# KiCad board mackerel-30-proto.kicad_pcb (continued)
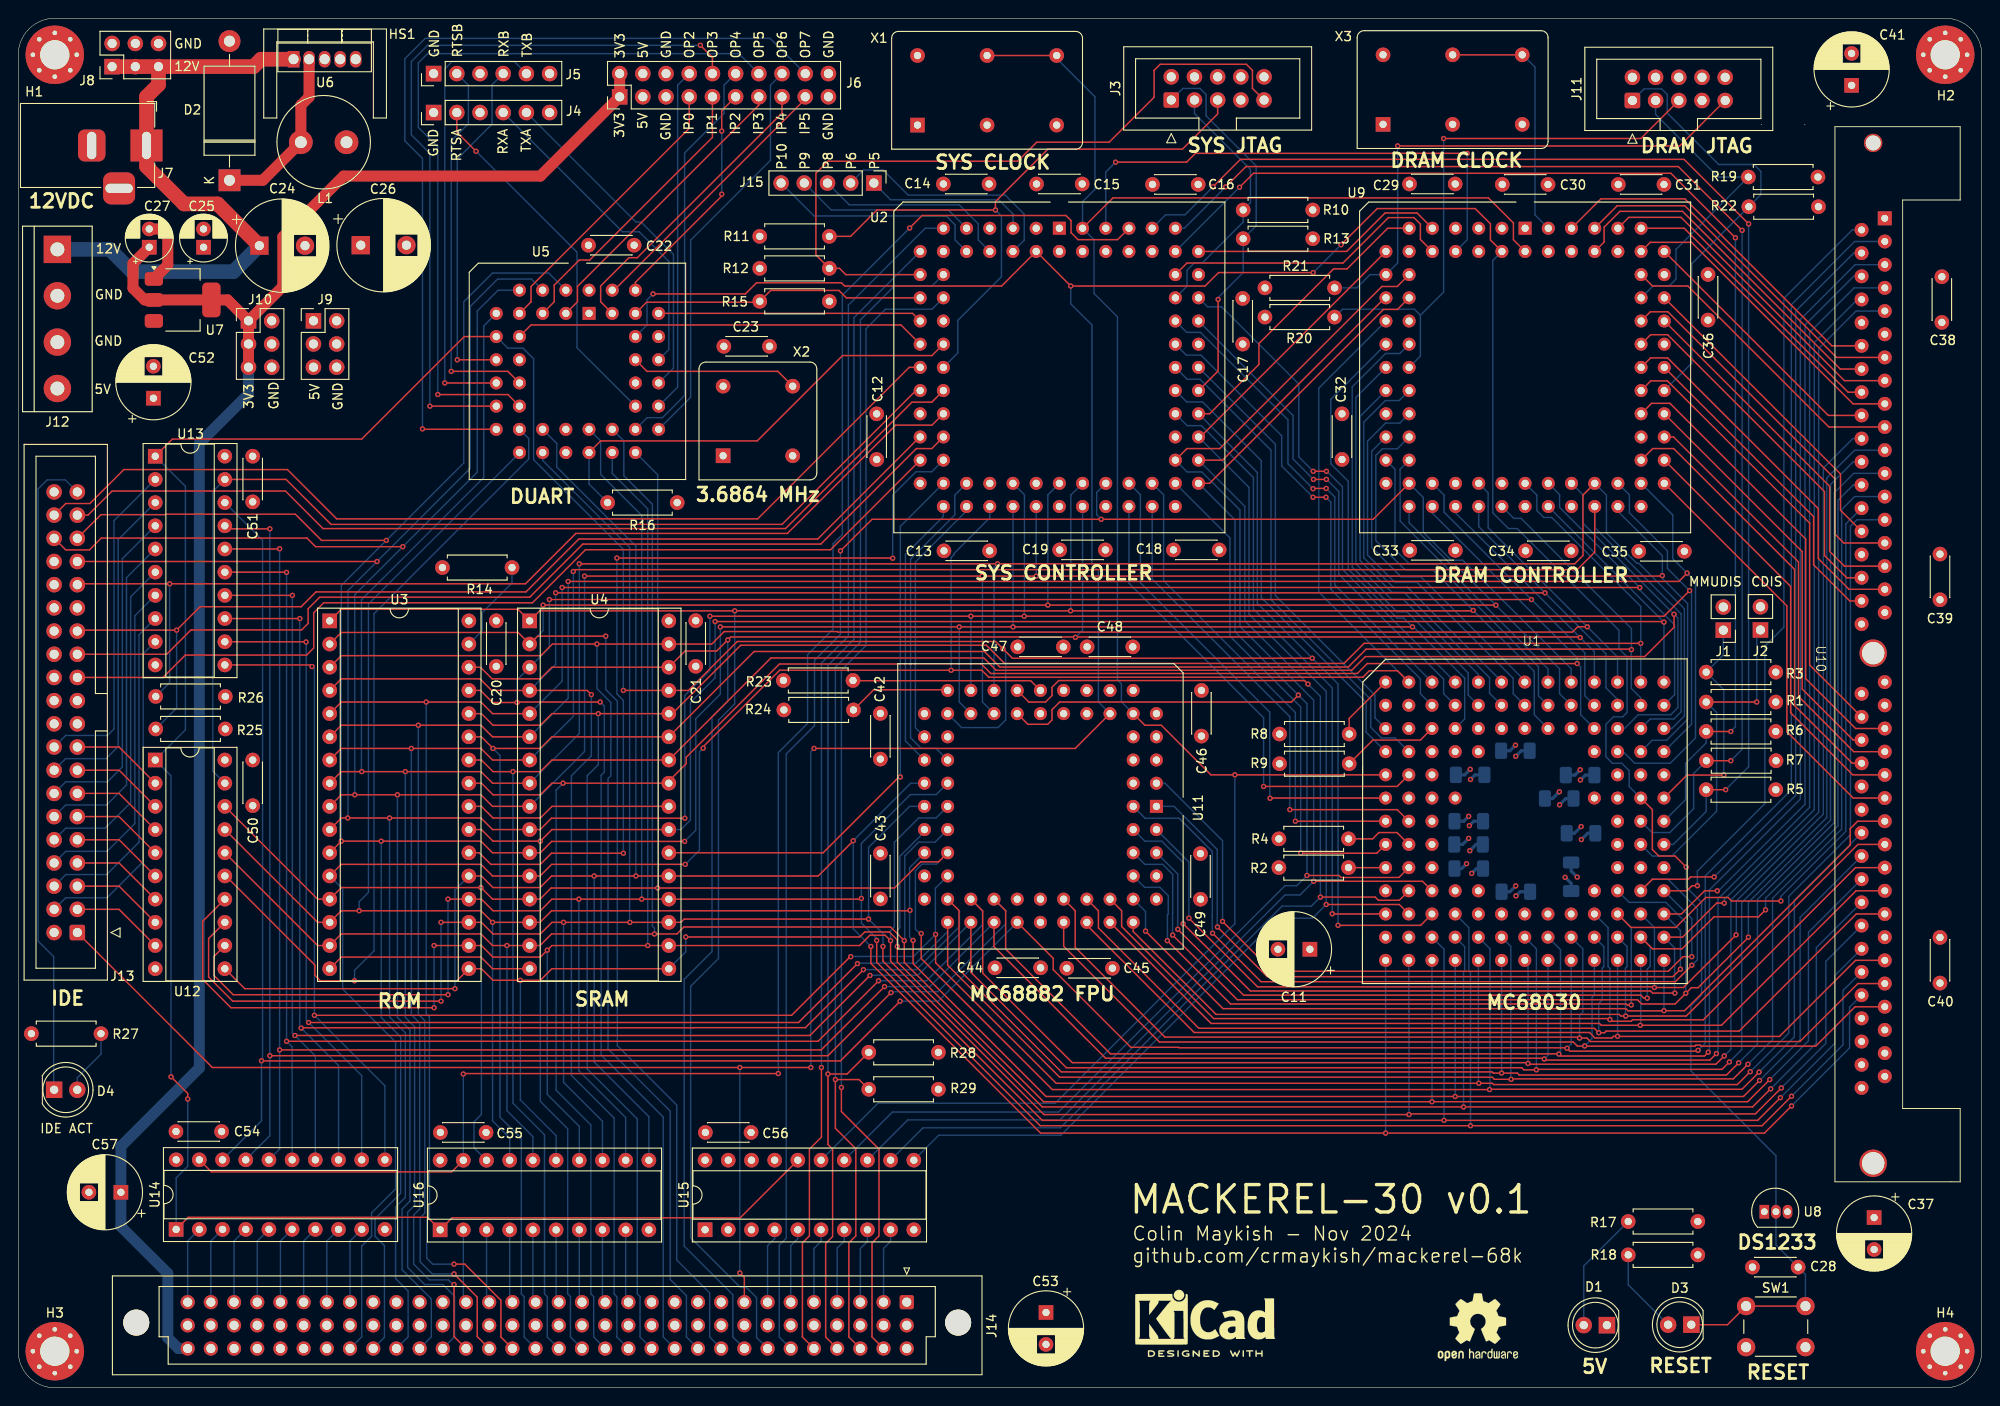
[diagram p0: board, top side]
## Routing (per net, layer and track width the routed paths; a pad name or vN(x,y) marks a point on that pad's centre or on a via; arc(x,y) is an arc through that point) (continued)
A14: length 241.4
  Top w0.152: U3.29 50.61,76.38 51.93,75.05 v1(54.63,75.05) 54.68,75.11 v1(63.72,75.11) ; v1(165.7,86.33) v1(58.16,86.33)
  Bottom w0.152: v1(58.16,86.33) 58.16,81.07 U4.3 54.63,77.54 v1(54.63,75.05) ; U9.36 156.12,97.78 156.12,95.91 v1(165.7,86.33) 171.54,80.49 171.54,75.79 U1.B10 ; J14.c11 70.63,5.56 70.63,29.64 63.82,36.45 63.82,67.08 64.18,67.43 64.18,74.65 v1(63.72,75.11)
A15: length 249.7
  Top w0.152: v1(171.81,83.35) 170.77,83.35 170.18,82.76 89.74,82.76 89.68,82.83 77.31,82.83 75.94,81.46 U4.31 v1(63.36,81.46) 58.49,81.46 57.22,80.19 35.37,80.19 U3.3
  Bottom w0.152: v1(63.36,81.46) 63.36,76.58 64.89,75.05 64.89,67.03 64.58,66.72 64.58,37.11 71.39,30.3 71.39,11.86 73.17,10.08 73.17,5.56 J14.c10 ; U9.40 160.95,98.03 160.95,94.21 v1(171.81,83.35) 175.12,80.03 U1.A11
A16: length 267.4
  Top w0.152: v1(57.47,85.72) v1(112.74,85.72) 161.79,85.72 v1(161.8,85.71) ; v1(64.33,82.32) 56.86,82.32 U4.2 54.73,82.73 35.37,82.73 U3.2
  Bottom w0.152: J14.c9 75.71,5.56 75.71,10.39 72.1,13.99 72.1,30.96 65.6,37.46 65.6,75.21 64.33,76.48 v1(64.33,82.32) ; U9.33 152.3,94.75 156.77,90.28 157.23,90.28 v1(161.8,85.71) 168.77,78.74 168.77,76.02 U1.B9 ; v1(57.47,85.72) 57.47,82.93 U4.2 ; v1(112.74,85.72) 112.74,97.8 U2.44
A17: length 246.6
  Top w0.152: U3.30 50.61,78.92 51.88,77.65 57.17,77.65 58.44,78.92 U4.30 73.01,80.69 76.47,80.69 v1(77.69,81.91) 78.01,82.23 170.97,82.23 v1(171.03,82.17)
  Bottom w0.152: U9.37 157.38,95.82 v1(171.03,82.17) 172.58,80.62 U1.A10 ; v1(115.76,82.19) 116.54,82.97 U2.45 ; v1(77.69,81.91) 77.69,75.21 75.96,73.48 75.96,47.78 72.91,44.73 72.91,15.52 78.25,10.18 78.25,5.56 J14.c8
A18: length 271.9
  Top w0.152: v1(159.32,85.14) 159.28,85.1 v1(115.23,85.1) v1(78.45,85.1) 57.1,85.1 U4.1 54.73,85.27 35.37,85.27 U3.1
  Bottom w0.152: v1(115.23,85.1) 115.25,85.12 115.25,97.78 U2.46 ; U9.29 151,102.84 149.37,102.84 148.66,102.13 148.66,92.78 151.91,89.53 154.93,89.53 v1(159.32,85.14) 166,78.46 166,73.71 U1.C8 ; v1(78.45,85.1) 78.45,74.9 76.67,73.12 76.67,47.01 73.62,43.97 73.62,16.43 79.06,11 79.72,11 80.84,9.88 80.84,5.51 J14.c7
A19: length 190.4
  Top w0.152: U9.34 148.36,95.12 v1(118.58,95.12) 93.49,95.12 v1(90.03,91.67)
  Bottom w0.152: U1.A9 170.04,78.76 158.17,90.64 156.92,90.64 153.85,93.71 153.85,97.51 U9.34 ; J14.c6 83.33,5.56 83.33,15.62 84.09,16.38 84.09,69.42 87.19,72.51 87.19,79.68 90.03,82.52 v1(90.03,91.67) ; U2.48 118.09,98.07 118.09,95.61 v1(118.58,95.12)
A20: length 35.9
  Bottom w0.152: U9.30 150.75,100.61 150.75,91.8 152.34,90.22 155.21,90.22 166.46,78.97 166.46,75.79 U1.B8
A21: length 31.4
  Bottom w0.152: U1.A8 167.5,78.74 151.31,94.94 151.31,100.61 U9.31
A22: length 43.3
  Bottom w0.152: U9.27 151.28,105.66 149.72,105.66 147.74,103.68 147.74,91.21 150.74,88.21 153.18,88.21 163.69,77.7 163.69,76.02 U1.B7
A23: length 35.7
  Bottom w0.152: U1.A7 164.96,77.44 153.58,88.82 151.42,88.82 148.2,92.05 148.2,102.58 U9.28
A24: length 42
  Bottom w0.152: U9.25 151.21,108.13 149.7,108.13 147.34,105.76 147.34,90.9 150.56,87.68 152.11,87.68 162.42,77.37 U1.A6
A25: length 42.8
  Bottom w0.152: U1.B6 161.1,76.07 161.1,77.77 151.75,87.12 150.41,87.12 146.93,90.6 146.93,106.39 U9.24
A26: length 42.1
  Bottom w0.152: U9.22 146.47,108.47 146.47,90.24 150.36,86.36 151.65,86.36 159.88,78.13 U1.A5
A27: length 49.4
  Bottom w0.152: U1.B5 158.77,75.87 158.77,78.28 152.06,84.99 150.97,84.99 146.07,89.89 146.07,109.62 149.72,113.28 151.28,113.28 U9.21
A28: length 55.5
  Top w0.152: v1(143.25,100.38) v1(141.8,100.38)
  Bottom w0.152: U1.A4 145,89.63 145,98.68 143.3,100.38 v1(143.25,100.38) ; U2.70 130.23,118.39 131.76,118.39 140.22,109.93 140.22,101.95 v1(141.8,100.38)
A29: length 54.6
  Top w0.152: v1(141.82,99.49) v1(143.25,99.49)
  Bottom w0.152: U2.68 139.59,106.49 139.59,101.72 v1(141.82,99.49) ; U1.B4 156.07,76.02 156.07,77.62 144.59,89.1 144.59,98.17 143.27,99.49 v1(143.25,99.49)
A30: length 53
  Top w0.152: v1(143.22,98.5) 141.8,98.5 v1(141.77,98.47)
  Bottom w0.152: v1(143.22,98.5) 144.16,97.56 144.16,87.93 U1.A3 ; v1(141.77,98.47) 139.03,101.22 139.03,106.02 129.45,115.59 127.95,115.59 U2.69
A31: length 53
  Top w0.152: v1(141.77,97.53) v1(143.19,97.53)
  Bottom w0.152: U2.67 127.9,113.1 129.5,113.1 138.34,104.26 138.34,100.96 v1(141.77,97.53) ; v1(143.19,97.53) 143.73,97 143.73,87.45 153.53,77.65 153.53,76.02 U1.B3
CLK_CPU: length 240.4
  Top w0.152: X1.8 X1.8 ; U2.83 119.87,130.33 160.97,130.33 163.72,127.58 163.72,125.74 U9.2 ; U1.E1 v1(133.21,67.13) 130.6,67.13 125.16,72.57 123.36,72.57 U11.11
  Bottom w0.152: v1(133.21,67.13) 133.21,50.82 113.55,31.16 94.14,31.16 U15.15 ; X1.8 113.71,145.59 117.9,141.4 117.9,131.26 116.54,129.91 U2.83 117.79,125.75 117.79,119.86 120.36,117.3 120.36,77.52 120.79,77.09 120.79,75.13 U11.11
CLK_DRAM: length 27.8
  Top w0.152: X3.8 X3.8
  Bottom w0.152: X3.8 164.73,146 166.08,144.65 166.08,128.46 U9.83
CS_EXP: length 130.8
  Top w0.152: v1(87.95,35.08) 87.95,27.46 86.63,26.13 86.63,16.63 85.87,15.87 85.87,5.56 J14.c5
  Bottom w0.152: U2.11 99.31,127 90.9,118.59 90.9,82.32 87.95,79.37 v1(87.95,35.08)
D0: length 165.2
  Top w0.152: U1.K13 182.72,54.43 183.28,54.99 v1(183.86,54.99) ; v1(131.87,51.08) 137.33,45.62 180.69,45.62 182.29,47.22 v1(183.25,47.22)
  Bottom w0.152: U10.2 200.83,126.82 193.33,119.33 193.33,83.31 191.25,81.22 191.25,63.98 183.86,56.59 v1(183.86,54.99) ; v1(183.25,47.22) 183.25,51.38 U1.K13 ; U11.3 125.57,66.22 131.87,59.92 v1(131.87,51.08)
D1: length 173.8
  Top w0.152: v1(183.25,46.28) 181.45,44.47 136.08,44.47 v1(130.77,49.78) ; v1(185.69,55.95) 183.12,55.95 182.87,55.7 178.93,55.7 U1.K12
  Bottom w0.152: v1(183.25,46.28) 183.86,46.89 183.86,52.47 180.63,55.7 178.93,55.7 U1.K12 ; U10.4 200.98,124.28 194.63,117.93 194.63,64.89 v1(185.69,55.95) ; v1(130.77,49.78) 130.74,49.82 130.74,51.7 130.75,51.71 130.75,58.74 127.1,62.38 123.38,62.38 U11.2
D2: length 158.5
  Top w0.152: v1(186.04,54.43) 184.65,54.43 182.11,51.89 U1.L13 ; v1(182.01,45.84) 181.19,45.03 136.74,45.03 v1(131.31,50.47)
  Bottom w0.152: U1.L13 182.01,50.09 v1(182.01,45.84) ; v1(186.04,54.43) 186.17,54.43 195.65,63.9 195.65,116.41 200.98,121.74 U10.6 ; U11.1 126.56,63.68 131.28,58.95 131.28,50.49 v1(131.31,50.47)
D3: length 158
  Top w0.152: U1.M13 182.24,49.35 185.97,53.08 v1(186.81,53.08) ; v1(181.4,43.23) 178.96,43.23 178.73,43.46 134.91,43.46 v1(127.55,50.82)
  Bottom w0.152: v1(127.55,50.82) 127.55,57.53 125.21,59.87 123.36,59.87 U11.68 ; U10.8 201.39,119.2 196.66,114.48 196.66,63.32 186.81,53.46 v1(186.81,53.08) ; v1(181.4,43.23) 181.37,43.25 181.37,48.18 U1.M13
D4: length 145.9
  Top w0.152: v1(188.1,49.6) 182.34,43.84 v1(179.16,43.84) 179.09,43.91 135.7,43.91 v1(128.18,51.43)
  Bottom w0.152: v1(188.1,49.6) 188.13,49.63 188.13,53.31 197.65,62.84 197.65,100.73 200.88,103.96 U10.20 ; U11.67 128.18,57.58 v1(128.18,51.43) ; v1(179.16,43.84) 179.16,50.39 U1.L12
D5: length 155.6
  Top w0.152: v1(189.45,49.35) 189.45,49.32 183.94,43.81 183.2,43.81 v1(182.59,43.2) 181.42,42.03 177.76,42.03 177.31,42.49 133.49,42.49 v1(126.41,49.58)
  Bottom w0.152: v1(189.45,49.35) 189.45,53.16 198.44,62.15 198.44,98.93 200.93,101.42 U10.22 ; v1(182.59,43.2) 182.59,50.98 180.41,53.16 176.39,53.16 U1.K11 ; v1(126.41,49.58) 126.39,49.59 126.39,52 126.41,52.02 126.41,56.23 125.31,57.33 123.36,57.33 U11.66
D6: length 138.5
  Top w0.152: v1(126.96,50.21) 134.18,43 177.66,43 177.99,42.67 v1(178.37,42.67) ; v1(191.33,52.35) 190.57,51.59 185.69,51.59 182.18,48.08 178.93,48.08 U1.M12
  Bottom w0.152: v1(126.96,50.21) 126.96,56.26 U11.65 ; U1.M12 178.7,48.31 178.7,46.17 178.37,45.84 v1(178.37,42.67) ; U10.24 200.93,98.88 199.25,97.2 199.25,61.54 191.33,53.62 v1(191.33,52.35)
D7: length 140.7
  Top w0.152: U1.L11 176.6,50.42 181.5,50.42 184.77,53.69 187.24,53.69 187.62,53.31 v1(193,53.31) ; v1(176.62,41.92) 176.19,41.92 176.08,42.03 132.76,42.03 v1(125.82,48.97)
  Bottom w0.152: v1(125.82,48.97) 125.83,48.98 125.83,51.8 125.92,51.89 125.92,53.9 125.01,54.81 123.33,54.81 U11.64 ; v1(193,53.31) 193,53.82 200.12,60.93 200.12,94.61 U10.26 ; v1(176.62,41.92) 176.62,50.39 U1.L11
D8: length 103.8
  Top w0.152: U10.49 201.41,62.05 200.6,61.24 200.6,59.44 182.46,41.3 v1(180.2,41.3) 180.19,41.29 176.28,41.29 176.04,41.53 131.92,41.53 v1(123.43,50.01)
  Bottom w0.152: U1.N13 v1(180.2,41.3) ; U11.62 123.43,52.17 v1(123.43,50.01)
D9: length 104.1
  Top w0.152: U10.51 201.44,59.51 182.64,40.71 v1(176.01,40.71) 175.48,40.71 175.3,40.89 131.17,40.89 122.09,49.97 U11.60
  Bottom w0.152: v1(176.01,40.71) 175.99,40.74 175.99,45.95 176.16,46.12 176.16,48.31 U1.M11
D10: length 110.8
  Top w0.152: U10.53 201.18,56.97 184.52,40.31 176.77,40.31 176.61,40.14 174.46,40.14 v1(174.28,40.32) 174.36,40.4 174.36,40.43 130.9,40.43 120.82,50.52 120.82,52.25 U11.59
  Bottom w0.152: U1.L10 174.08,50.39 174.08,46.12 174.28,45.92 v1(174.28,40.32)
D11: length 102.7
  Top w0.152: U10.55 201.23,54.43 186.5,39.7 v1(177.61,39.7) 173.34,39.7 173.14,39.9 130.62,39.9 U11.58
  Bottom w0.152: v1(177.61,39.7) 177.66,39.75 U1.N12
D12: length 111.1
  Top w0.152: U10.57 201.26,51.89 188.43,39.06 173.88,39.06 173.7,38.89 v1(173.07,38.89) 172.58,39.37 129.28,39.37 118.28,50.37 118.28,52.25 U11.57
  Bottom w0.152: v1(173.07,38.89) 173.07,42.1 173.45,42.48 173.45,45.95 173.62,46.12 173.62,48.31 U1.M10
D13: length 104.6
  Top w0.152: U10.61 201.18,46.81 192.85,38.48 175.14,38.48 v1(175.12,38.49) 174.68,38.49 174.5,38.31 172.65,38.31 172.05,38.91 128.77,38.91 117.01,50.67 U11.56
  Bottom w0.152: U1.N11 v1(175.12,38.49)
D14: length 113.1
  Top w0.152: U11.55 115.74,52.25 115.74,48.23 125.57,38.4 170.93,38.4 170.96,38.38 v1(170.96,38.3) 171.78,38.3 172.16,37.92 195.09,37.92 201.44,44.27 U10.63
  Bottom w0.152: v1(170.96,38.3) 170.96,40.76 171.31,41.12 171.31,48.08 U1.M9
D15: length 108.8
  Top w0.152: U10.65 201.13,41.73 196.81,37.41 184.29,37.41 184.17,37.53 183.7,37.53 183.59,37.41 171.54,37.41 v1(171.52,37.44) 171.49,37.41 170.73,37.41 170.27,37.87 124.96,37.87 114.47,48.36 U11.54
  Bottom w0.152: U1.N10 172.58,43 172.33,42.75 172.33,38.25 v1(171.52,37.44)
D16: length 354.5
  Top w0.152: U11.50 113.32,47.04 113.32,45.79 121.83,37.28 127.07,37.28 127.12,37.23 169.53,37.23 v1(169.59,37.18) 169.9,36.87 183.85,36.87 v1(183.94,36.95) ; v1(26.63,35.81) 26.65,35.8 90.02,35.8 v1(96.56,42.34)
  Bottom w0.152: U13.18 26.75,92.82 26.75,35.93 v1(26.63,35.81) 26.63,29.23 U14.18 ; U10.3 201.08,125.55 194.15,118.62 194.15,65.48 184.72,56.06 184.72,37.74 v1(183.94,36.95) ; v1(96.56,42.34) 100.75,42.34 U11.50 ; v1(169.59,37.18) 170.04,37.64 U1.N9
D17: length 362.6
  Top w0.152: v1(95.57,43.28) 88.66,36.37 v1(27.55,36.37) ; v1(185.05,36.75) 184.64,36.33 168.91,36.33 v1(168.7,36.55) 168.67,36.57 119.6,36.57 108.12,48.05 108.12,52.25 U11.49 ; U13.17 22.95,94.08 v1(27.55,94.08)
  Bottom w0.152: v1(95.57,43.28) 95.6,43.28 95.7,43.38 100.7,43.38 108.12,50.8 108.12,52.25 U11.49 ; U10.5 201.13,123.01 195.14,117.02 195.14,64.49 185.18,54.53 185.18,36.88 v1(185.05,36.75) ; v1(168.7,36.55) 168.87,36.73 168.87,47.98 U1.M8 ; v1(27.55,94.08) v1(27.55,36.37) 27.55,27.61 U14.17
D18: length 349.1
  Top w0.152: U11.48 106.85,48.31 119.06,36.09 167.01,36.09 v1(167.1,36) 167.21,35.89 185.23,35.89 v1(185.94,36.6) ; v1(94.86,43.94) 87.92,37.01 v1(28.62,37.01) ; U13.16 28.59,91.87 v1(28.62,91.89)
  Bottom w0.152: v1(28.62,91.89) v1(28.62,37.01) 28.62,26.13 U14.16 ; U11.48 99.81,43.94 v1(94.86,43.94) ; v1(185.94,36.6) 186.12,36.78 186.12,53.54 196.15,63.57 196.15,115.59 201.03,120.47 U10.7 ; U1.N8 167.5,36.41 v1(167.1,36)
D19: length 352.7
  Top w0.152: v1(29.38,89.3) 29.35,89.33 U13.15 ; 165.19,35.61 115.41,35.61 105.6,45.41 105.6,52.22 U11.47 ; 165.19,35.61 165.22,35.63 ; 165.19,35.61 165.23,35.61 v1(165.32,35.52) 165.41,35.43 185.89,35.43 v1(186.81,36.35) ; v1(29.38,37.95) 87.57,37.95 v1(94.2,44.57)
  Bottom w0.152: U11.47 105.58,52.25 105.58,50.7 99.46,44.57 v1(94.2,44.57) ; U10.9 201.23,117.93 197.14,113.84 197.14,63.04 187.53,53.43 187.53,37.07 v1(186.81,36.35) ; U1.N7 165.32,46.45 v1(165.32,35.52) ; v1(29.38,89.3) v1(29.38,37.95) 29.99,37.34 U14.15
D20: length 333.8
  Top w0.152: v1(187.37,35.68) 186.55,34.87 166.28,34.87 v1(166.23,34.82) 164.86,34.82 164.63,35.05 114.77,35.05 104.31,45.51 U11.46 ; v1(30.01,86.79) U13.14 ; v1(93.26,45.16) 86.68,38.58 v1(30.29,38.58)
  Bottom w0.152: v1(187.37,35.68) 188.71,37.03 188.71,53.13 198.03,62.46 198.03,99.64 201.08,102.69 U10.21 ; v1(93.26,45.16) 93.28,45.16 93.31,45.18 98.52,45.18 U11.46 ; U14.14 32.53,36.35 v1(30.29,38.58) 30.01,38.86 v1(30.01,86.79) ; v1(166.23,34.82) 166.23,48.08 U1.M7
D21: length 334
  Top w0.152: v1(30.98,39.39) 31.02,39.43 73.94,39.43 73.95,39.44 86.2,39.44 v1(92.55,45.79) ; v1(188.38,35.58) 187.05,34.25 164.37,34.25 164.15,34.47 v1(162.42,34.47) 161.51,34.47 161.38,34.59 114.21,34.59 103.01,45.79 103.01,52.27 U11.45 ; v1(30.83,84.25) U13.13
  Bottom w0.152: v1(162.42,34.47) 162.42,40.92 162.45,40.94 162.42,40.97 U1.N6 ; U14.13 35.07,35.3 v1(30.98,39.39) 30.83,39.55 v1(30.83,84.25) ; U11.45 103.06,52.22 103.06,50.52 98.34,45.79 v1(92.55,45.79) ; v1(188.38,35.58) 190.44,37.64 190.44,53.49 198.85,61.9 198.85,98.02 200.98,100.15 U10.23
D22: length 327.8
  Top w0.152: v1(189.4,35.43) 187.8,33.83 163.51,33.83 v1(163.46,33.78) 161.64,33.78 161.41,34.01 114.04,34.01 101.77,46.28 U11.44 ; v1(91.89,46.46) 85.44,40 v1(31.79,40) ; v1(31.51,81.68) 31.49,81.71 U13.12
  Bottom w0.152: U10.25 201.08,97.61 199.66,96.19 199.66,61.19 192.09,53.62 192.09,38.12 v1(189.4,35.43) ; v1(31.51,81.68) 31.54,81.66 31.54,40.26 v1(31.79,40) 37.61,34.19 U14.12 ; U1.M6 163.44,48.33 163.44,33.81 v1(163.46,33.78) ; v1(91.89,46.46) 91.94,46.5 91.94,46.51 98.3,46.51 101.77,49.97 U11.44
D23: length 325.9
  Top w0.152: v1(100.45,49.65) 100.45,46.56 113.65,33.35 v1(159.93,33.35) 161.41,33.35 161.55,33.21 188.24,33.21 v1(189.65,34.62) ; v1(32.17,78.99) 31.99,79.17 U13.11 ; v1(91.15,47.22) 91.1,47.22 84.67,40.79 v1(32.43,40.79)
  Bottom w0.152: U14.11 40.15,33.07 v1(32.43,40.79) 32.43,78.74 v1(32.17,78.99) ; v1(159.93,33.35) 159.88,33.4 U1.N5 ; v1(91.15,47.22) 91.18,47.24 98.03,47.24 v1(100.45,49.65) 100.45,49.68 100.42,49.71 100.42,54.71 U11.42 ; v1(189.65,34.62) 193.87,38.83 193.87,53.82 200.62,60.58 200.62,94.36 201.34,95.07 U10.27
D24: length 326.9
  Top w0.152: v1(190.62,34.57) 188.74,32.69 161.13,32.69 v1(161.1,32.66) 113.22,32.66 98.87,47.01 v1(98.87,49.76) ; U11.40 100.78,57.61 98.82,57.61 95.95,54.73 v1(70.02,54.73) 58.35,54.73 57.13,53.52 U4.13 51.93,53.52 v1(50.66,54.79) 35.37,54.79 U3.13 32.78,53.52 U12.18
  Bottom w0.152: U1.M5 161.15,48.08 161.15,32.71 v1(161.1,32.66) ; v1(190.62,34.57) 194.48,38.43 194.48,53.41 U10.50 ; U11.40 100.52,57.35 98.97,57.35 98.24,56.61 98.24,50.24 98.72,49.76 v1(98.87,49.76) ; U16.18 49.9,26.29 49.9,29.13 50.71,29.94 50.71,54.73 v1(50.66,54.79) ; U5.28 70.02,100 v1(70.02,54.73)
D25: length 321.7
  Top w0.152: v1(97.64,52.3) 97.59,52.25 58.4,52.25 57.13,50.98 U4.14 v1(51.93,50.98) 50.66,52.25 v1(37.33,52.25) 35.37,52.25 U3.14 32.78,50.98 U12.17 ; v1(97.98,48.99) 97.98,46.45 112.54,31.9 v1(157.34,31.9) 188.91,31.9 v1(190.67,33.65)
  Bottom w0.152: U5.18 54.88,102.39 38.34,85.85 38.34,54.25 37.33,53.24 v1(37.33,52.25) ; U10.52 195.11,51.51 195.11,38.1 v1(190.67,33.65) ; U11.39 97.6,56.97 97.6,49.38 v1(97.98,48.99) ; v1(157.34,31.9) U1.N4 ; v1(51.93,50.98) 51.93,29.23 53.81,27.35 U16.17
D26: length 324.3
  Top w0.152: U12.16 32.78,48.44 U3.15 35.37,49.71 50.66,49.71 51.93,48.44 v1(53.51,48.44) U4.15 57.13,48.44 58.4,49.71 v1(69.66,49.71) 72.13,49.71 72.89,50.47 95.52,50.47 v1(97.02,48.97) 97.02,46.58 112.27,31.33 v1(154.8,31.33) 189.36,31.33 v1(191.79,33.75)
  Bottom w0.152: U11.38 100.4,59.76 98.59,59.76 97.07,58.24 97.07,49.02 v1(97.02,48.97) ; v1(53.51,48.44) 53.51,30.35 56.35,27.51 U16.16 ; U5.27 66.31,103.71 66.31,99.9 69.43,96.77 69.43,50.57 69.66,50.34 v1(69.66,49.71) ; v1(191.79,33.75) 196.03,38 196.03,49.88 U10.54 ; v1(154.8,31.33) U1.N3
D27: length 336.8
  Top w0.152: U12.15 22.72,56.06 32.48,46.3 32.48,45.18 33.09,44.57 v1(36.82,44.57) 48.02,44.57 U3.17 50.71,45.9 51.98,44.63 v1(54.98,44.63) 57.17,44.63 58.44,45.9 U4.17 ; v1(191.89,32.74) 189.91,30.76 v1(158.26,30.76) 112.13,30.76 96.26,46.63 v1(96.26,48.33) 96.26,49.04 95.37,49.92 92.69,49.92 92.14,49.38 v1(73.09,49.38)
  Bottom w0.152: v1(36.82,44.57) 36.82,45.72 38.95,47.85 38.95,84.78 55.9,101.72 55.9,103.96 U5.19 ; U4.17 73.09,47.75 v1(73.09,49.38) ; v1(96.26,48.33) 96.26,50.11 96.54,50.39 96.54,58.21 99.23,60.9 U11.37 ; v1(191.89,32.74) 196.89,37.74 196.89,48.21 U10.56 ; U16.15 58.89,27.61 54.98,31.52 v1(54.98,44.63) ; v1(158.26,30.76) 158.26,45.59 158.38,45.72 158.38,48.31 U1.M4
D28: length 339.8
  Top w0.152: U12.14 20.18,51.08 20.18,44.73 23.28,41.63 v1(45.53,41.63) ; v1(45.53,48.44) U3.18 50.71,48.44 51.98,47.17 57.17,47.17 v1(57.93,47.93) 58.44,48.44 v1(68.93,48.44) U4.18 92.13,48.44 93.26,49.57 94.92,49.57 v1(95.52,48.97) 95.52,46.71 112.31,29.92 v1(152.29,29.92) 152.36,30 190.21,30 v1(193.06,32.84)
  Bottom w0.152: U10.58 197.93,46.71 197.93,37.72 v1(193.06,32.84) ; U16.14 61.43,28.62 57.93,32.13 v1(57.93,47.93) ; U1.N2 152.26,41.22 152.29,41.2 v1(152.29,29.92) ; v1(95.52,48.97) 95.52,50.06 95.93,50.47 95.93,59.74 98.59,62.41 100.5,62.41 U11.36 ; v1(45.53,41.63) v1(45.53,48.44) ; v1(68.93,48.44) 68.93,96.26 65.04,100.15 U5.26
D29: length 341.4
  Top w0.152: v1(46.29,50.98) U3.19 50.71,50.98 51.98,49.71 57.17,49.71 58.44,50.98 v1(59.71,50.98) v1(66.97,50.98) U4.19 72.56,50.98 72.91,51.33 v1(93.11,51.33) ; U12.13 20.84,49.2 20.84,44.98 23.48,42.34 v1(46.29,42.34) ; v1(94.68,48.33) 94.68,46.73 112.13,29.28 v1(156.12,29.28) 190.46,29.28 v1(192.95,31.77)
  Bottom w0.152: v1(59.71,50.98) 59.71,33.45 63.97,29.18 U16.13 ; v1(192.95,31.77) 198.95,37.77 198.95,45.18 U10.60 ; v1(94.68,48.33) 94.68,49.76 v1(93.11,51.33) 93.11,59.18 97.6,63.68 U11.35 ; U5.20 57.42,101.57 66.94,92.05 66.94,51 v1(66.97,50.98) ; U1.M3 156.12,48.03 v1(156.12,29.28) ; v1(46.29,42.34) v1(46.29,50.98)
D30: length 347.2
  Top w0.152: v1(194.17,31.93) 190.95,28.7 v1(159.02,28.7) 111.9,28.7 94,46.61 v1(94,48.99) ; v1(47.06,53.52) U3.20 50.71,53.52 51.98,52.25 57.17,52.25 58.44,53.52 v1(61.38,53.52) v1(68.27,53.52) U4.20 92.24,53.52 v1(92.32,53.59) ; U12.12 21.4,47.22 21.4,45.18 23.54,43.05 v1(47.06,43.05)
  Bottom w0.152: v1(47.06,43.05) v1(47.06,53.52) ; v1(61.38,53.52) 61.38,34.72 66.51,29.59 U16.12 ; U1.L4 158.84,50.39 158.84,45.67 159.02,45.49 v1(159.02,28.7) ; v1(94,48.99) 94,49.22 92.32,50.9 v1(92.32,53.59) 92.32,59.61 97.68,64.97 100.52,64.97 U11.34 ; U5.25 63.77,103.71 63.77,100.05 68.27,95.55 v1(68.27,53.52) ; v1(194.17,31.93) 199.81,37.56 199.81,43.51 U10.62
D31: length 339.2
  Top w0.152: v1(93.36,48.33) 93.36,46.48 111.95,27.89 v1(149.72,27.89) 191.2,27.89 v1(194.17,30.86) ; v1(91.43,59.92) 91.43,59.89 87.59,56.06 U4.21 v1(67.63,56.06) v1(63.06,56.06) 58.41,56.06 57.14,54.79 51.98,54.79 50.71,56.06 U3.21 ; v1(47.82,43.71) 24.8,43.71 U12.11
  Bottom w0.152: v1(93.36,48.33) 91.43,50.26 v1(91.43,59.92) 97.73,66.22 U11.33 ; v1(194.17,30.86) 200.52,37.21 200.52,41.68 U10.64 ; v1(47.82,43.71) 47.82,54.53 U3.21 ; v1(67.63,56.06) 67.63,92.17 58.97,100.84 58.97,103.43 U5.21 ; U16.11 69.05,29.69 63.06,35.68 v1(63.06,56.06) ; v1(149.72,27.89) U1.N1
DRAM_A0: length 39.8
  Top w0.152: U9.81 173.3,130.22 182.49,130.22 198.59,114.12 U10.12
DRAM_A1: length 39.7
  Top w0.152: U9.79 175.08,129.46 182.49,129.46 199.1,112.85 U10.13
DRAM_A2: length 39.2
  Top w0.152: U9.80 173.65,125.49 173.65,127.12 175.38,128.85 182.23,128.85 199.51,111.58 U10.14
DRAM_A3: length 37.1
  Top w0.152: U10.15 199.96,110.31 182.08,128.19 176.35,128.19 U9.77
DRAM_A4: length 31.6
  Top w0.152: U10.16 200.37,109.04 182.41,127 U9.75
DRAM_A5: length 34.4
  Top w0.152: U10.17 200.9,107.77 183.22,125.45 178.69,125.45 U9.76
DRAM_A6: length 29
  Top w0.152: U9.74 198.2,106.5 U10.18
DRAM_A7: length 34.5
  Top w0.152: U10.28 199.53,96.11 199.53,100.09 U9.70
DRAM_A8: length 39.4
  Top w0.152: U10.31 199.96,89.99 198.34,91.62 198.34,98.74 U9.68
DRAM_A9: length 39.7
  Top w0.152: U9.67 178.74,115.34 180.6,115.34 197.78,98.16 197.78,91.16 200.22,88.72 U10.32
DRAM_A10: length 33.6
  Top w0.152: U9.73 178.95,120.67 182.83,120.67 198.27,105.23 U10.19
DRAM_A11: length 41.1
  Top w0.152: U9.69 178.71,117.85 180.63,117.85 198.92,99.56 198.92,93.5 199.89,92.53 U10.29
DRAM_WR: length 46.5
  Top w0.152: U10.47 200.93,64.59 193.66,71.85 193.66,85.64 U9.54
DTACK_EXP: length 130.8
  Top w0.152: R28.1 90.76,34.36 v1(88.66,34.36) 88.66,26.64 89.17,26.13 89.17,16.56 88.41,15.8 88.41,5.56 J14.c4
  Bottom w0.152: v1(88.66,34.36) 88.66,79.12 91.51,81.96 91.51,117.21 U2.12
EXP_AS: length 8.3
  Bottom w0.152: J14.a5 87.13,15.25 87.9,16.03 U15.6
EXP_CLK: length 8.3
  Bottom w0.152: U15.5 85.36,16.34 84.59,15.56 J14.a6
EXP_D16: length 8.5
  Bottom w0.152: J14.a32 18.55,16.07 U14.2
EXP_D17: length 8.5
  Bottom w0.152: J14.a31 21.09,16.07 U14.3
EXP_D18: length 8.5
  Bottom w0.152: U14.4 23.63,16.07 J14.a30
EXP_D19: length 8.5
  Bottom w0.152: J14.a29 26.17,16.07 U14.5
EXP_D20: length 8.5
  Bottom w0.152: J14.a28 28.71,16.07 U14.6
EXP_D21: length 8.5
  Bottom w0.152: U14.7 31.25,16.07 J14.a27
EXP_D22: length 8.5
  Bottom w0.152: U14.8 33.79,16.07 J14.a26
EXP_D23: length 8.5
  Bottom w0.152: J14.a25 36.33,16.07 U14.9
EXP_D24: length 8
  Bottom w0.152: J14.a20 48.73,9.67 U16.2
EXP_D25: length 8
  Bottom w0.152: J14.a19 51.27,9.67 U16.3
EXP_D26: length 8
  Bottom w0.152: J14.a18 53.81,9.67 U16.4
EXP_D27: length 8
  Bottom w0.152: J14.a17 56.35,9.67 U16.5
EXP_D28: length 8
  Bottom w0.152: J14.a16 58.89,9.67 U16.6
EXP_D29: length 8
  Bottom w0.152: J14.a15 61.43,9.67 U16.7
EXP_D30: length 8
  Bottom w0.152: J14.a14 63.97,9.67 U16.8
EXP_D31: length 8
  Bottom w0.152: U16.9 66.51,9.67 J14.a13
EXP_DS: length 8.3
  Bottom w0.152: J14.a3 92.21,15.25 92.98,16.03 U15.8
EXP_RW: length 8.3
  Bottom w0.152: J14.a7 82.05,15.56 82.82,16.34 U15.4
EXP_SIZ0: length 8.3
  Bottom w0.152: U15.9 95.52,16.03 94.75,15.25 J14.a2
EXP_SIZ1: length 8.3
  Bottom w0.152: U15.7 90.44,16.06 89.67,15.28 J14.a4
FC0: length 54.4
  Bottom w0.152: U1.D2 150.76,71.17 149.27,71.17 148.1,72.34 148.1,75.39 137.18,86.31 137.18,102.69 129.4,110.46 128,110.46 U2.65
FC1: length 48
  Bottom w0.152: U2.64 137.66,103.34 137.66,86.76 148.55,75.87 148.55,73.38 U1.C1
FC2: length 50.1
  Bottom w0.152: U1.D1 147.59,71.8 147.59,75.08 136.11,86.56 136.11,101.55 129.68,107.97 127.95,107.97 U2.63
IACK_EXP: length 125.2
  Top w0.152: v1(90.13,32.89) 90.13,30.25 94.25,26.13 94.25,16.63 93.49,15.87 93.49,5.56 J14.c2
  Bottom w0.152: v1(90.13,32.89) 90.13,78.61 92.83,81.3 92.83,116 94.96,118.13 100.05,118.13 U2.17
IDE_D0: length 10.2
  Top w0.152: U12.2 11.04,70.18 J13.17
IDE_D1: length 10.2
  Top w0.152: U12.3 11.04,67.64 J13.15
IDE_D2: length 10.2
  Top w0.152: J13.13 11.04,65.1 U12.4
IDE_D3: length 10.2
  Top w0.152: U12.5 11.04,62.56 J13.11
IDE_D4: length 10.2
  Top w0.152: U12.6 11.04,60.02 J13.9
IDE_D5: length 10.2
  Top w0.152: U12.7 11.04,57.48 J13.7
IDE_D6: length 10.2
  Top w0.152: J13.5 11.04,54.94 U12.8
IDE_D7: length 10.2
  Top w0.152: U12.9 11.04,52.4 J13.3
IDE_D8: length 36.5
  Bottom w0.152: U13.9 13.68,80.39 13.68,57.63 9.72,53.67 5.2,53.67 J13.4
IDE_D9: length 36.5
  Bottom w0.152: J13.6 5.2,56.21 9.67,56.21 13.22,59.76 13.22,82.47 U13.8
IDE_D10: length 36.5
  Bottom w0.152: U13.7 12.77,84.56 12.77,61.8 9.72,58.75 5.2,58.75 J13.8
IDE_D11: length 36.4
  Bottom w0.152: U13.6 12.31,86.64 12.31,64.08 9.51,61.29 5.2,61.29 J13.10
IDE_D12: length 36.5
  Bottom w0.152: J13.12 5.2,63.83 9.67,63.83 11.85,66.01 11.85,88.72 U13.5
IDE_D13: length 36.6
  Bottom w0.152: J13.14 5.2,66.37 9.77,66.37 11.39,67.99 11.39,90.8 U13.4
IDE_D14: length 36.5
  Bottom w0.152: U13.3 10.94,92.89 10.94,70.23 9.62,68.91 5.2,68.91 J13.16
IDE_D15: length 36.6
  Bottom w0.152: U13.2 10.48,94.97 10.48,72.16 9.77,71.45 5.2,71.45 J13.18
IDE_INT: length 115.6
  Top w0.152: U2.27 100.05,105.43 96.08,105.43 84.22,93.57 61.05,93.57 55.54,88.06 v1(16.58,88.06) 6.57,88.06 J13.31
  Bottom w0.152: v1(16.58,88.06) 16.58,77.24 R26.2
IDE_RDY: length 112.9
  Top w0.152: J13.27 6.57,82.98 v1(17.34,82.98) 19.9,85.55 30.98,85.55 32.6,87.17 55.59,87.17 61.38,92.96 87.54,92.96 98.72,104.14 U2.28
  Bottom w0.152: v1(17.34,82.98) 17.34,74.45 R25.2
IP0: length 31.4
  Top w0.152: U5.8 56.15,118.95 56.15,120.62 73.47,137.95 J6.7
IP1: length 32.1
  Top w0.152: U5.5 58.69,118.95 58.69,120.77 61.43,123.52 62.58,123.52 76.01,136.95 J6.9
IP2: length 25.7
  Top w0.152: J6.11 77.03,139.88 v1(77.03,137.64) ; U5.40 67.58,121.08 77.03,130.53 v1(77.03,130.73)
  Bottom w0.152: v1(77.03,130.73) v1(77.03,137.64)
IP3: length 32.5
  Top w0.152: U5.3 61.23,118.95 61.23,120.62 81.09,140.49 J6.13
IP4: length 33
  Top w0.152: J6.15 83.63,139.62 67.78,123.77 66.87,123.77 63.77,120.67 63.77,118.95 U5.43
IP5: length 30.1
  Top w0.152: J6.17 86.17,141.15 65.24,120.22 U5.42
IRQ_EXP: length 130.8
  Top w0.152: R29.1 92.06,33.75 v1(89.47,33.75) 89.47,28.42 91.71,26.19 91.71,16.63 90.95,15.87 90.95,5.56 J14.c3
  Bottom w0.152: U2.15 100.05,120.67 95.93,120.67 92.22,116.96 92.22,81.66 89.47,78.92 v1(89.47,33.75)
OP2: length 37.8
  Bottom w0.152: U5.31 72.2,109.6 72.2,142.67 J6.8
OP3: length 81.9
  Top w0.152: J6.10 76.01,145.72 v1(74.69,147.04) ; U5.15 v1(45.07,107.52)
  Bottom w0.152: v1(74.69,147.04) 44.82,147.04 43.04,145.26 43.04,137.23 45.07,135.2 v1(45.07,107.52)
OP4: length 44.5
  Bottom w0.152: U5.30 68.85,106.25 70.53,106.25 72.96,108.68 72.96,135.25 77.28,139.57 77.28,142.67 J6.12
OP5: length 85.3
  Top w0.152: U5.16 53.61,108.79 v1(45.94,108.79)
  Bottom w0.152: J6.14 78.91,146.12 44.82,146.12 43.8,145.11 43.8,138.05 45.94,135.91 v1(45.94,108.79)
OP6: length 44.6
  Bottom w0.152: U5.29 73.62,108.48 73.62,125.7 82.36,134.44 82.36,142.67 J6.16
OP7: length 95.8
  Top w0.152: U5.17 44.31,104.98 v1(44.26,105.03)
  Bottom w0.152: v1(44.26,105.03) 44.26,134.64 42.33,136.57 42.33,145.57 44.57,147.8 82.31,147.8 J6.18
R/W: length 449.7
  Top w0.152: v1(18.56,31.62) 18.56,32.23 v1(16.73,34.06) ; v1(141.7,79.91) 108.85,79.91 v1(107.83,80.93) 107.03,81.73 78.73,81.73 73.37,76.38 U4.29 v1(66.26,76.38) ; v1(144.52,50.65) 153.56,50.65 U1.L3 ; U5.9 48.83,115.14 37.61,103.91 16.88,103.91 U13.1 ; U9.11 149.95,127 145.51,122.55 144.03,122.55 135.85,114.37 135.85,112.09 130.45,106.68 U2.60 ; U14.1 18.61,18.67 44.82,18.67 U16.1 47.51,18.62 79.06,18.62 U15.16
  Bottom w0.152: U14.1 17.29,22.98 18.56,24.25 v1(18.56,31.62) ; v1(66.26,76.38) 66.26,91.82 56.43,101.65 56.43,112.7 55.26,113.87 53.61,113.87 U5.9 ; U13.1 18.3,98.73 18.3,72.06 U12.1 16.73,67.03 v1(16.73,34.06) ; v1(144.52,50.65) 144.52,77.09 v1(141.7,79.91) 135.68,85.93 135.68,100.24 U2.60 ; U11.28 103.29,72.31 107.28,72.31 108.12,73.15 108.12,80.64 v1(107.83,80.93)
RXA: length 36.1
  Bottom w0.152: J4.4 66.16,126.62 67.99,126.62 71.24,123.37 71.24,113.71 U5.35
RXB: length 37.7
  Top w0.152: U5.11 v1(48.07,112.6)
  Bottom w0.152: v1(48.07,112.6) 48.07,134.59 51.88,138.4 51.88,142.72 J5.4
SIZ0: length 152.2
  Top w0.152: v1(143.22,52.93) 151.22,52.93 U1.L2 ; U9.12 129.44,104.14 U2.58
  Bottom w0.152: U15.11 100.8,27.66 114.16,27.66 137.94,51.43 141.72,51.43 v1(143.22,52.93) 143.22,76.27 134.76,84.73 134.76,98.62 U2.58
SIZ1: length 162.3
  Top w0.152: U1.K3 153.76,55.47 v1(141.85,55.47) ; U2.57 127.97,102.87 131.56,102.87 149.32,120.62 151,120.62 U9.15
  Bottom w0.152: U2.57 128,100.3 129.61,100.3 133.77,96.14 133.77,83.39 141.85,75.31 v1(141.85,55.47) 140.35,53.97 138.7,53.97 114.06,29.33 97.39,29.33 U15.13
TCK: length 41.9
  Top w0.152: U2.62 131.38,111.36 v1(131.38,119.2)
  Bottom w0.152: v1(131.38,119.2) 131.38,119.4 134.13,122.15 R13.1 135.55,127.28 135.55,133.83 130.06,139.32 130.06,141.65 129.4,142.31 127.52,142.31 J3.1
TCK_DRAM: length 47.9
  Bottom w0.152: J11.1 178.02,142.26 179.95,142.26 180.56,141.65 180.56,139.62 186.2,133.98 190.06,133.98 190.82,133.22 190.82,130.68 R22.1 183.25,123.11 183.25,112.23 U9.62
TDI: length 79.8
  Top w0.152: J3.9 135.14,142.31 135.14,144.3 134.48,144.96 125.03,144.96 124.37,144.3 124.37,141.35 119.45,136.42 111.52,136.42 109.44,134.34 88.66,134.34 87.34,133.02 87.34,124.08 R12.2 89.93,122.6 90.61,121.92 U2.14
TDI_DRAM: length 58.8
  Top w0.152: v1(151.04,136.01) 181.93,136.01 J11.9
  Bottom w0.152: R21.2 146.57,120.47 148.02,121.92 U9.14 151.04,123.2 v1(151.04,136.01)
TDO: length 28.1
  Bottom w0.152: U2.71 127.98,120.66 127.98,122.4 128.79,123.21 129.66,123.21 134.13,127.68 R10.2 134.93,129.8 134.93,133.44 128.79,139.57 J3.3
TDO_DRAM: length 33.7
  Bottom w0.152: U9.71 178.99,120.67 180.76,120.67 181.52,121.44 181.52,124.69 R19.2 186.15,132.61 179.29,139.47 J11.3
TMS: length 70.3
  Top w0.152: J3.5 131.33,139.52 127.47,135.66 112.74,135.66 107,129.92 v1(107,129) 107,129 94.03,129 91.13,126.11 R11.2
  Bottom w0.152: U2.23 102.89,113.35 102.89,116.91 107.66,121.69 107.66,128.34 v1(107,129)
TMS_DRAM: length 64.1
  Top w0.152: v1(156.07,136.83) 177.66,136.83 J11.5
  Bottom w0.152: R20.2 145,118.13 152.87,118.13 153.53,117.47 ; 153.53,117.47 153.53,112.99 U9.23 ; 153.53,117.47 156.07,120.01 v1(156.07,136.83)
TXA: length 37.3
  Bottom w0.152: J4.5 67.63,127.68 68.19,127.68 71.74,124.13 71.74,111.68 U5.33
TXB: length 49.9
  Top w0.152: v1(46.7,110.06) U5.13
  Bottom w0.152: J5.5 54.32,145.26 47.51,145.26 46.7,144.45 v1(46.7,110.06)
Net-(D1-A): length 13.4
  Bottom w0.152: D1.2 171.42,13.34 R17.2
Net-(D2-K): length 19
  Top w1.2: D2.1 26.78,132.26 L1.1 30.94,140.47 31.85,141.38 U6.2
Net-(D3-A): length 9.5
  Bottom w0.152: R18.2 176.29,11.28 D3.2
Net-(D4-A): length 7.2
  Bottom w0.152: R27.2 9.06,36.55 6.47,33.96 D4.2
Net-(D4-K): length 71.8
  Bottom w0.152: D4.1 3.88,32.69 3.88,47.22 2.17,48.92 2.17,98.45 3.16,99.44 5.15,99.44 J13.39
Net-(J1-Pin_1): length 25
  Top w0.152: U1.F13 182.72,67.1 v1(186.76,67.1)
  Bottom w0.152: J1.1 186.71,80.26 R3.2 186.76,76.45 v1(186.76,67.1)
Net-(J2-Pin_1): length 36.9
  Top w0.152: R1.2 v1(190.36,75.11)
  Bottom w0.152: J2.1 190.36,82.59 v1(190.36,75.11) ; R1.2 185.97,73.96 185.97,63.14 181.07,58.24 178.93,58.24 U1.H12
Net-(J15-Pin_1): length 18.2
  Bottom w0.152: J15.1 95.52,130.12 107.36,130.12 108.92,128.56 U2.5
Net-(J15-Pin_2): length 26.2
  Bottom w0.152: J15.2 92.57,133.37 94.71,133.37 97.45,130.63 108.07,130.63 110.15,128.55 110.15,125.69 U2.6
Net-(J15-Pin_3): length 21.9
  Bottom w0.152: J15.3 91,129.56 103.04,129.56 105.12,127.48 105.12,125.72 U2.8
Net-(J15-Pin_4): length 19.8
  Bottom w0.152: J15.4 89.02,129 101.84,129 U2.9
Net-(J15-Pin_5): length 24.4
  Bottom w0.152: U2.10 102.58,125.72 102.58,127.38 101.62,128.34 87.14,128.34 J15.5
Net-(U1-/BGACK): length 10.7
  Top w0.152: U1.C3 153.53,70.94 148.33,70.94 R9.2
Net-(U1-/BR): length 7.3
  Top w0.152: R8.2 145.74,73.3 U1.A1
Net-(U1-/CBACK): length 4.1
  Top w0.152: R2.2 U1.J1
Net-(U1-/HALT): length 7.4
  Top w0.152: R4.2 148.3,60.12 148.99,60.81 150.97,60.81 U1.H2
Net-(U3-PGM): length 10.3
  Bottom w0.152: R14.2 54.07,88.16 50.82,84.91 50.82,82.93 U3.31
Net-(U5-X1/CLK): length 18.4
  Top w0.152: X2.5 83.17,111.33 68.85,111.33 U5.36
Net-(U11-/SIZE): length 21
  Top w0.152: U11.18 110.86,77.44 91.43,77.44 R23.2
Net-(U11-A0): length 11.3
  Top w0.152: R24.2 93.67,76.45 101.69,76.45 U11.26

## Copper pours and planes (outline as drawn; the poured copper is in the pictures)
+5V on In2.Cu: -22.9,172.9 226.63,173.71 237.3,-17.2 -26.1,-18.42
GND on In1.Cu: -13.85,166.85 218.56,161.41 223.99,-8.71 -13.85,-6.12

## Text on the board
F.Silkscreen: MMUDIS | CDIS | IDE ACT | GND | 5V | 12V | P10 | P9 | P8 | P6 | P5 | 3V3 | RTSB | RXB | TXB | OP2 | OP3 | OP4 | OP5 | OP6 | OP7 | RTSA | RXA | TXA | IP0 | IP1 | IP2 | IP3 | IP4 | IP5 | Colin Maykish - Nov 2024 / github.com/crmaykish/mackerel-68k | 12VDC | IDE | ROM | DUART | SRAM | 3.6864 MHz | SYS CLOCK | MC68882 FPU | SYS CONTROLLER | SYS JTAG | DRAM CLOCK | DRAM CONTROLLER | MC68030 | DRAM JTAG | RESET | DS1233 | MACKEREL-30 v0.1
